# Altium PCB PCBv1.PcbDoc (part 1 of 2) (continued)
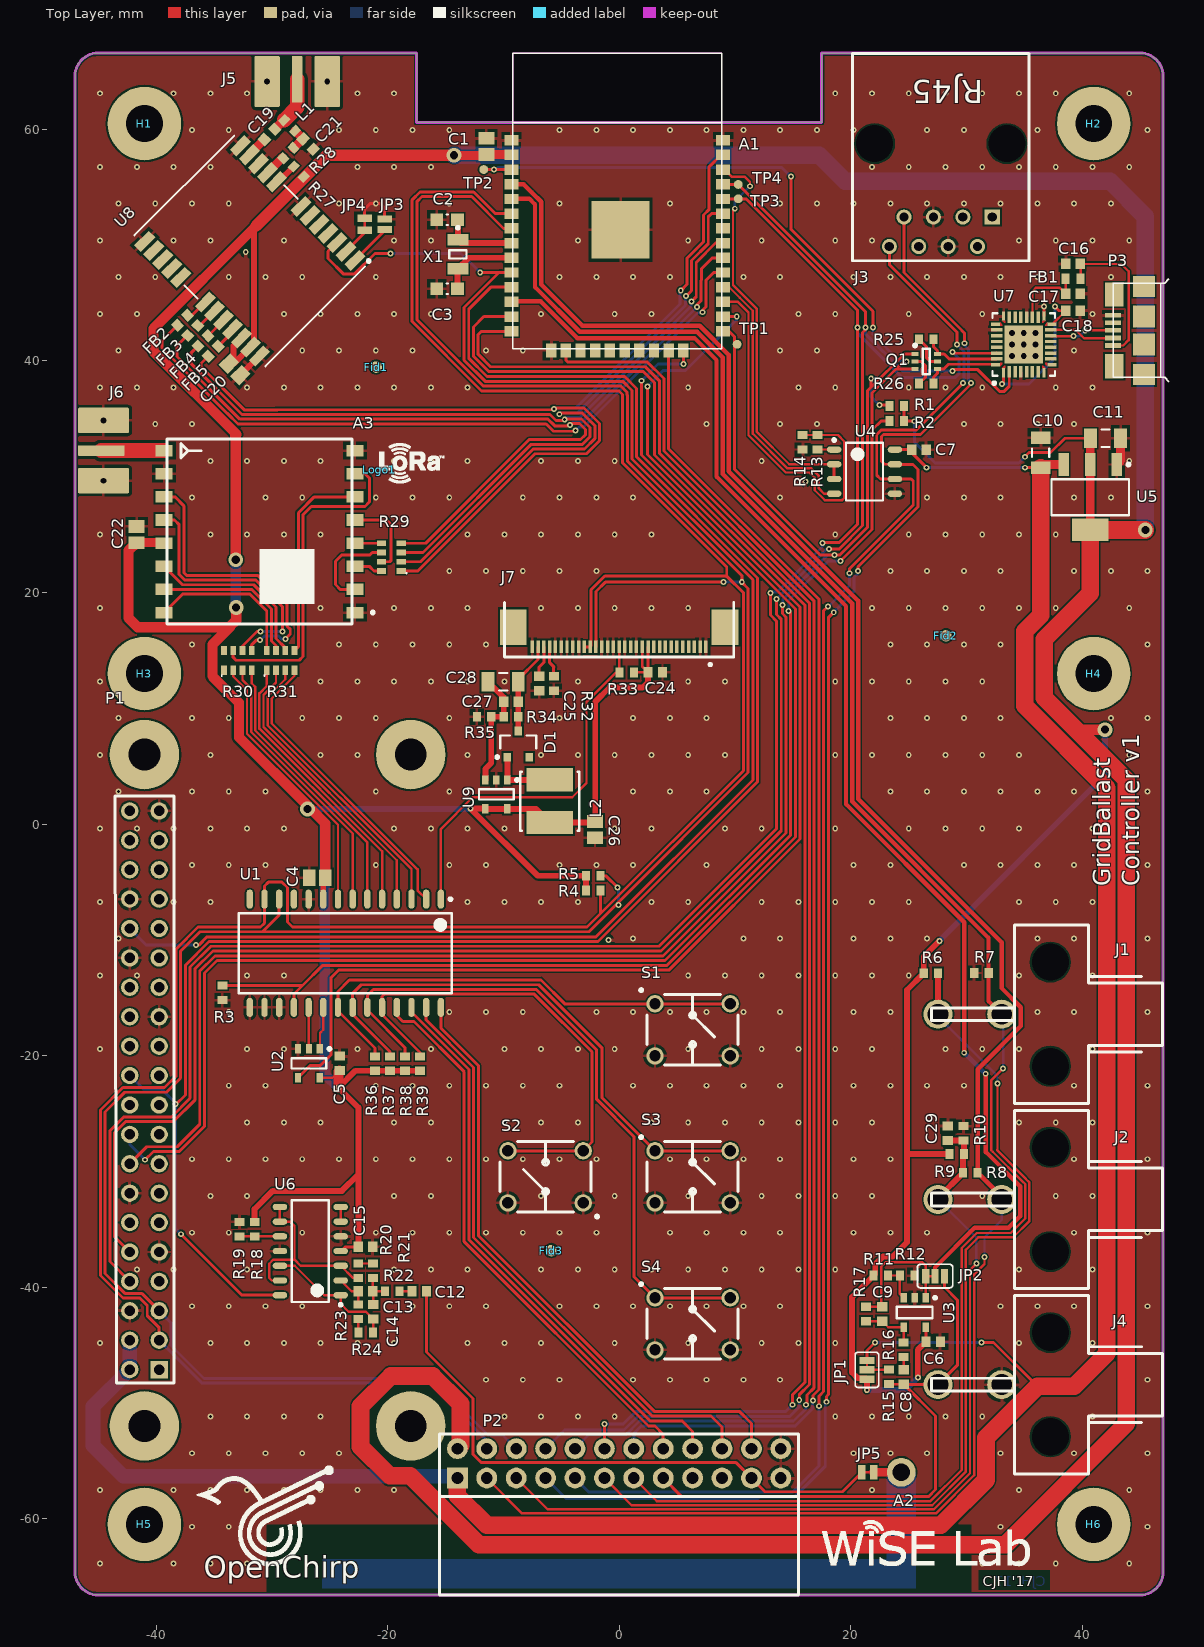
[diagram p0: Top Layer view]
## Footprints (in the part's own frame and the unit in brackets; to place one, negate y for a bottom-side part, rotate by r counter-clockwise, add the part's x,y. Pads: shape width x height; smd on the part's side, far side on the other; paste and mask are expansions set on the pad)
"0.1 INCH 2 ROW 24 POS FEMALE RIGHT-ANGLE HEADER SULLINS" [mm] "Sullins 0.1\" Dual row 24 position female right-angle header"
  rect 1.8x1.8 hole 1.02: 1(-13.97,-1.27)
  round 1.8 hole 1.02: 2(-13.97,1.27) 3(-11.43,-1.27) 4(-11.43,1.27) 5(-8.89,-1.27) 6(-8.89,1.27) 7(-6.35,-1.27) 8(-6.35,1.27) 9(-3.81,-1.27) 10(-3.81,1.27) 11(-1.27,-1.27) 12(-1.27,1.27) 13(1.27,-1.27) 14(1.27,1.27) 15(3.81,-1.27) 16(3.81,1.27) 17(6.35,-1.27) 18(6.35,1.27) 19(8.89,-1.27) 20(8.89,1.27) 21(11.43,-1.27) 22(11.43,1.27) 23(13.97,-1.27) 24(13.97,1.27)
  silkscreen extent -15.5,-11.37 15.5,2.54, body extent -15.49,-11.34 15.49,1.5, height 5.08
"1/8in Fastener Hole" [mm]
  round 6.35 hole 3.175: 1(0,0)
"2POS 4.2MM PITCH RIGHT ANGLE" [mm] "2position 4.2mm picth right angle with screw support (TE 1586043-2)"
  round 0 hole 3.2 unplated: 0(-4.5,-4.2) 0(4.5,-4.2)
  round 2.5 hole 1.8: 1(0,0) 2(0,5.5)
  silkscreen extent -7.7,-13.9 7.7,6.05, body extent -7.7,-13.9 7.7,6.06, height 10.9
"31 POSITION FLAT FLEX ZIF CONNECTOR" [mm] "TE 3-1734839-1 31 Position Flat Flex ZIF Connector"
  rect 2.3x3.1 smd: 0(-9.15,0) 0(9.15,0)
  rect 0.3x1.1 smd mask+0.02: 1(-7.5,1.7) 2(-7,1.7) 3(-6.5,1.7) 4(-6,1.7) 5(-5.5,1.7) 6(-5,1.7) 7(-4.5,1.7) 8(-4,1.7) 9(-3.5,1.7) 10(-3,1.7) 11(-2.5,1.7) 12(-2,1.7) 13(-1.5,1.7) 14(-1,1.7) 15(-0.5,1.7) 16(0,1.7) 17(0.5,1.7) 18(1,1.7) 19(1.5,1.7) 20(2,1.7) 21(2.5,1.7) 22(3,1.7) 23(3.5,1.7) 24(4,1.7) 25(4.5,1.7) 26(5,1.7) 27(5.5,1.7) 28(6,1.7) 29(6.5,1.7) 30(7,1.7) 31(7.5,1.7)
  silkscreen extent -9.91,-2.15 9.91,3.33, body extent -10.47,-3.07 10.46,2.04, height 2
60HzPickup [mm] "This is a small straight trace antenna with an avaliable via for external pickup"
  round 2.5 hole 1.5 paste-10: 1(0,0)
  Top Layer region: 0,1.25 0,-1.25 10,-1.25 10,50 7.5,50 7.5,1.25
CAC-80P319X159-8L [mm] "Chip Array, ConvexE, 8-Leads, Pitch 0.80mm,  Body 3.20x1.60mm,  IPC High Density"
  rect 0.8x0.5 smd: 1(-0.85,1.2) 2(-0.85,0.4) 3(-0.85,-0.4) 4(-0.85,-1.2) 5(0.85,-1.2) 6(0.85,-0.4) 7(0.85,0.4) 8(0.85,1.2)
  silkscreen extent -1.36,1.34 -1.26,1.44, body extent -0.92,-1.68 0.92,1.68, height 0.7
CAPC0603(1608)100_M [mm] "Chip Capacitor, Body 1.6x0.8mm, Height 1.0mm, IPC Low Density"
  rect 1.1x1.1 smd: 1(-0.9,0) 2(0.9,0)
  silkscreen extent -0.05,-0.45 0.05,0.45, body extent -0.87,-0.47 0.88,0.48, height 1
"CAPC1608X09L - CAP0603" [mm] "Chip Capacitor, 2-Leads, Body 1.60x0.80mm, IPC High Density"
  rect 0.8x0.9 smd: 1(-0.625,0) 2(0.625,0)
  body extent -0.87,-0.48 0.87,0.48, height 0.9
"CAPC2013X14L - CAP0805 1.45mm Tall" [mm] "Chip Capacitor, 2-Leads, Body 2.00x1.30mm, IPC High Density"
  rect 1.1x1.4 smd: 1(-0.7,0) 2(0.7,0)
  body extent -1.1,-0.72 1.1,0.73, height 1.45
"CAPC3216X18L - CAP1206 1.8MM TALL" [mm] "Chip Capacitor, 2-Leads, Body 3.20x1.60mm, IPC High Density"
  rect 1.1x1.7 smd: 1(-1.3,0) 2(1.3,0)
  silkscreen extent -0.35,-0.75 0.35,0.75, body extent -1.7,-0.9 1.7,0.9, height 1.8
ESP-WROOM-32 [mm] "ESP WROOM 32 Module"
  rect 5x5 smd: 0(9.3,10.3)
  rect 1.2x0.9 smd: 1(-0.127,18.034) 2(-0.127,16.764) 3(-0.127,15.494) 4(-0.127,14.224) 5(-0.127,12.954) 6(-0.127,11.684) 7(-0.127,10.414) 8(-0.127,9.144) 9(-0.127,7.874) 10(-0.127,6.604) 11(-0.127,5.334) 12(-0.127,4.064) 13(-0.127,2.794) 14(-0.127,1.524) 25(18.161,1.524) 26(18.161,2.794) 27(18.161,4.064) 28(18.161,5.334) 29(18.161,6.604) 30(18.161,7.874) 31(18.161,9.144) 32(18.161,10.414) 33(18.161,11.684) 34(18.161,12.954) 35(18.161,14.224) 36(18.161,15.494) 37(18.161,16.764) 38(18.161,18.034)
  rect 0.9x1.2 smd: 15(3.302,-0.127) 16(4.57,-0.127) 17(5.84,-0.127) 18(7.11,-0.127) 19(8.38,-0.127) 20(9.65,-0.127) 21(10.92,-0.127) 22(12.19,-0.127) 23(13.46,-0.127) 24(14.73,-0.127)
  Keep-Out Layer region: 0,19.558 18.034,19.558 18.034,25.527 0,25.527
  silkscreen extent 0,0 18.03,25.53, body extent 0,0 18.03,25.53, height 2
FB1608X09L [mm] "Chip Ferrite Bead, 2-Leads, Body 1.60x0.80mm, IPC High Density"
  rect 0.77x0.88 smd: 1(-0.615,0) 2(0.615,0)
  body extent -0.88,-0.48 0.88,0.48, height 0.95
"Fiducial 1mm" [mm] "Fiducial 1mm"
  round 1 smd paste-1 mask+0: ""(0,0)
"INDC1608X09L - IND0603 0.95MM TALL" [mm] "Chip Inductor, 2-Leads, Body 1.60x0.80mm, IPC High Density"
  rect 0.67x0.88 smd: 1(-0.665,0) 2(0.665,0)
  body extent -0.87,-0.48 0.87,0.47, height 0.95
"INDC1608X10L - FL0603" [mm] "Chip Inductor, 2-Leads, Body 1.60x0.80mm, IPC High Density"
  rect 0.68x0.92 smd: 1(-0.66,0) 2(0.66,0)
  body extent -0.9,-0.5 0.9,0.5, height 1
INDP4949X20L [mm] "Precision Wire Wound Inductor, 2-Leads, Body 4.90x4.90mm, IPC High Density"
  rect 2x4 smd: 1(-1.85,0) 2(1.85,0)
  silkscreen extent -2.55,-2.55 2.55,2.55, body extent -2.55,-2.45 2.55,2.45, height 2.1
ITTI-14340272-32.768KHz-2_V [mm] "Hand Drawn, 2-Leads, Body 3.2x1.5mm, Pitch 2.5mm"
  rect 1x1.8 smd: 1(-1.25,0) 2(1.25,0)
  silkscreen extent -2.43,-0.75 0.35,0.75, body extent -1.6,-0.75 1.6,0.75, height 0.9
"Logo LoRa Size1" [mm] "Logo LoRa Size1 - Top Overlay"
  silkscreen extent 0,-1.13 5.58,2.3
MicroUSB_TypeB [mm]
  rect 1.8x1.9 smd: 0(0,0) 0(7.6,0)
  rect 2.1x1.6 smd: 0(0.7,2.55) 0(6.9,2.55)
  rect 1.9x1.9 smd: 0(2.6,0) 0(5,0)
  rect 0.4x1.35 smd: 1(2.5,2.675) 2(3.15,2.675) 3(3.8,2.675) 4(4.45,2.675) 5(5.1,2.675)
  silkscreen extent -0.63,-2.16 8.26,2.67, body extent -0.18,-2.4 7.8,3.03, height 2.72
NEO [mm] "u-blox NEO GNSS module"
  rect 1.8x0.8 smd paste-0.1: 1(5.842,-7) 2(5.842,-5.9) 3(5.842,-4.8) 4(5.842,-3.7) 5(5.842,-2.6) 6(5.842,-1.5) 7(5.842,-0.4) 8(5.842,2.6) 9(5.842,3.7) 10(5.842,4.8) 11(5.842,5.9) 12(5.842,7) 13(-5.842,7) 14(-5.842,5.9) 15(-5.842,4.8) 16(-5.842,3.7) 17(-5.842,2.6) 18(-5.842,-0.4) 19(-5.842,-1.5) 20(-5.842,-2.6) 21(-5.842,-3.7) 22(-5.842,-4.8) 23(-5.842,-5.9) 24(-5.842,-7)
  silkscreen extent -6.11,-8 6.69,8, body extent -6.1,-8 6.1,8, height 2.28
PAD-JUMPER-2-NC_BY_TRACE_NO_SILK [mil]
  rect 25x50 smd: 1(-20,0) 2(20,0)
  Top Layer lines w8: 15,0 -15,0
PAD-JUMPER-2-NO_NO_SILK [mm]
  rect 0.635x1.27 smd: 1(-0.45,0) 2(0.45,0)
PAD-JUMPER-3-2OF3_NC_BY_TRACE_YES_SILK_FULL_BOX#1 [mil]
  rect 25x50 smd: 1(-32,0) 2(0,0) 3(32,0)
  Top Layer lines w8: 0,0 25,0
  silkscreen extent -60,-40 60,40
PAD-JUMPER-3-2OF3_NC_BY_TRACE_YES_SILK_FULL_BOX#2 [mil]
  rect 25x50 smd: 1(-32,0) 2(0,0) 3(32,0)
  Top Layer lines w8: 25,0 0.25,0 0,0
  silkscreen extent -60,-40 60,40
PQFN5X5-32_V_FTDI_BIG_VIAS_LEADS [mm] "QFN, 32-Leads, Body 5x5mm, Pitch 0.5mm, Thermal Pad 3.3x3.3mm, FTDI Recommended"
  rect 0.8x0.3 smd paste-0.15 mask-0.15: 1(-2.45,1.75) 8(-2.45,-1.75) 17(2.45,-1.75) 24(2.45,1.75)
  rect 1x0.3 smd mask+0.06: 2(-2.35,1.25) 3(-2.35,0.75) 4(-2.35,0.25) 5(-2.35,-0.25) 6(-2.35,-0.75) 7(-2.35,-1.25) 18(2.35,-1.25) 19(2.35,-0.75) 20(2.35,-0.25) 21(2.35,0.25) 22(2.35,0.75) 23(2.35,1.25)
  rect 0.3x0.8 smd paste-0.15 mask-0.15: 9(-1.75,-2.45) 16(1.75,-2.45) 25(1.75,2.45) 32(-1.75,2.45)
  rect 0.3x1 smd mask+0.06: 10(-1.25,-2.35) 11(-0.75,-2.35) 12(-0.25,-2.35) 13(0.25,-2.35) 14(0.75,-2.35) 15(1.25,-2.35) 26(1.25,2.35) 27(0.75,2.35) 28(0.25,2.35) 29(-0.25,2.35) 30(-0.75,2.35) 31(-1.25,2.35)
  rect 3.3x3.3 smd paste-1.125 mask+0.06: 33(0,0)
  Top Layer region: -2.05,-1.6 -1.85,-1.6 -1.85,-1.7 -2.05,-1.9
  Top Layer region: 2.05,-1.6 1.85,-1.6 1.85,-1.7 2.05,-1.9
  Top Layer region: 2.05,1.6 1.85,1.6 1.85,1.7 2.05,1.9
  Top Layer region: -2.05,1.6 -1.85,1.6 -1.85,1.7 -2.05,1.9
  Top Layer region: -1.6,-2.05 -1.6,-1.85 -1.7,-1.85 -1.9,-2.05
  Top Layer region: 1.6,2.05 1.6,1.85 1.7,1.85 1.9,2.05
  Top Layer region: -1.6,2.05 -1.6,1.85 -1.7,1.85 -1.9,2.05
  Top Layer region: 1.6,-1.85 1.6,-2.05 1.9,-2.05 1.7,-1.85
  silkscreen extent -3.47,-2.7 2.7,2.7, body extent -2.55,-2.55 2.55,2.55, height 1
"RASPBERRY PI ZERO" [mm] "Raspberry Pi Zero Header and Layout"
  round 6 hole 2.75 unplated mask+2: 0(0,-29) 0(0,29) 0(23,-29) 0(23,29)
  rect 1.5x1.5 hole 0.9: 1(1.27,-24.13)
  round 1.5 hole 0.9: 2(-1.27,-24.13) 3(1.27,-21.59) 4(-1.27,-21.59) 5(1.27,-19.05) 6(-1.27,-19.05) 7(1.27,-16.51) 8(-1.27,-16.51) 9(1.27,-13.97) 10(-1.27,-13.97) 11(1.27,-11.43) 12(-1.27,-11.43) 13(1.27,-8.89) 14(-1.27,-8.89) 15(1.27,-6.35) 16(-1.27,-6.35) 17(1.27,-3.81) 18(-1.27,-3.81) 19(1.27,-1.27) 20(-1.27,-1.27) 21(1.27,1.27) 22(-1.27,1.27) 23(1.27,3.81) 24(-1.27,3.81) 25(1.27,6.35) 26(-1.27,6.35) 27(1.27,8.89) 28(-1.27,8.89) 29(1.27,11.43) 30(-1.27,11.43) 31(1.27,13.97) 32(-1.27,13.97) 33(1.27,16.51) 34(-1.27,16.51) 35(1.27,19.05) 36(-1.27,19.05) 37(1.27,21.59) 38(-1.27,21.59) 39(1.27,24.13) 40(-1.27,24.13)
  silkscreen extent -2.54,-25.27 2.54,25.4
"RESC1608X06L - RES0603" [mm] "Chip Resistor, 2-Leads, Body 1.60x0.80mm, IPC High Density"
  rect 0.7x0.85 smd: 1(-0.625,0) 2(0.625,0)
  body extent -0.87,-0.48 0.87,0.48, height 0.55
RFM95/9697/98W [mm] "HopeRF RFM95 RFM96 RFM97 RFM98"
  rect 1.5x1 smd: 1(-8.25,7) 2(-8.25,5) 3(-8.25,3) 4(-8.25,1) 5(-8.25,-1) 6(-8.25,-3) 7(-8.25,-5) 8(-8.25,-7) 9(8.25,-7) 10(8.25,-5) 11(8.25,-3) 12(8.25,-1) 13(8.25,1) 14(8.25,3) 15(8.25,5) 16(8.25,7)
  silkscreen extent -9.9,-8 8,8, body extent -8,-8 8,8, height 1.8
"RJ45 Unshielded PTH Connector" [mm] "Amphenol 54601-908WPLF Unshielded RJ45 PTH Connector"
  round 0 hole 3.2 unplated: 0(-5.716,0) 0(5.716,0)
  rect 1.3x1.3 hole 0.8: 1(-4.444,6.35)
  round 1.3 hole 0.8: 2(-3.174,8.89) 3(-1.904,6.35) 4(-0.634,8.89) 5(0.636,6.35) 6(1.906,8.89) 7(3.176,6.35) 8(4.446,8.89)
  silkscreen extent -7.62,-7.8 7.62,10.12, body extent -7.62,-7.8 7.62,10.2, height 11.5
"SMA Connector - Edge Mount Short" [mm] "Edge Mount SMA Connector - Shorter Footprint"
  rrect10% 0.9x4 smd paste+0 mask+0.05: 1(0,0)
  rrect10% 2.2x4.4 hole 0.5 mask+0.05: 2(-2.6,0.2) 2(2.6,0.2)
  body extent -3.17,-11.63 3.17,1.7, height 3.81
SOIC127P600X175-8L [mm] "SOIC, 8-Leads, Body 4.90x3.90mm, Pitch 1.27mm, IPC High Density"
  oval 1.25x0.55 smd: 1(-2.625,1.905) 2(-2.625,0.635) 3(-2.625,-0.635) 4(-2.625,-1.905) 5(2.625,-1.905) 6(2.625,-0.635) 7(2.625,0.635) 8(2.625,1.905)
  silkscreen extent -2.75,-2.5 1.6,2.85, body extent -3,-2.5 3,2.5, height 1.75
SOIC127P600X175-14L [mm] "SOIC, 14-Leads, Body 8.65x3.90mm, Pitch 1.27mm, IPC High Density"
  oval 1.25x0.55 smd: 1(-2.625,3.81) 2(-2.625,2.54) 3(-2.625,1.27) 4(-2.625,0) 5(-2.625,-1.27) 6(-2.625,-2.54) 7(-2.625,-3.81) 8(2.625,-3.81) 9(2.625,-2.54) 10(2.625,-1.27) 11(2.625,0) 12(2.625,1.27) 13(2.625,2.54) 14(2.625,3.81)
  silkscreen extent -2.75,-4.4 1.6,4.76, body extent -3,-4.4 3,4.4, height 1.75
SOIC127P1030X265-28L [mm] "SOIC, 28-Leads, Body 17.90x7.50mm, Pitch 1.27mm, IPC High Density"
  oval 1.65x0.55 smd: 1(-4.675,8.255) 2(-4.675,6.985) 3(-4.675,5.715) 4(-4.675,4.445) 5(-4.675,3.175) 6(-4.675,1.905) 7(-4.675,0.635) 8(-4.675,-0.635) 9(-4.675,-1.905) 10(-4.675,-3.175) 11(-4.675,-4.445) 12(-4.675,-5.715) 13(-4.675,-6.985) 14(-4.675,-8.255) 15(4.675,-8.255) 16(4.675,-6.985) 17(4.675,-5.715) 18(4.675,-4.445) 19(4.675,-3.175) 20(4.675,-1.905) 21(4.675,-0.635) 22(4.675,0.635) 23(4.675,1.905) 24(4.675,3.175) 25(4.675,4.445) 26(4.675,5.715) 27(4.675,6.985) 28(4.675,8.255)
  silkscreen extent -4.8,-9.2 3.45,9.21, body extent -5.15,-9.2 5.15,9.2, height 2.65
SOT65P210X110-6L [mm] "SOT23, 6-Leads, Body 2.00x2.10mm, Pitch 0.65mm, IPC High Density"
  rect 0.6x0.35 smd: 1(-0.975,0.65) 2(-0.975,0) 3(-0.975,-0.65) 4(0.975,-0.65) 5(0.975,0) 6(0.975,0.65)
  silkscreen extent -1.1,-1.1 0.3,1.5, body extent -0.67,-1.1 0.67,1.1, height 1.1
"SOT95P240X120-3L - ON Semi" [mm] "SOT23, 3-Leads, Body 2.92x2.40mm, Pitch 0.95mm, IPC High Density"
  rect 0.75x0.65 smd: 1(-1.125,0.95) 2(-1.125,-0.95) 3(1.125,0)
  silkscreen extent -1.25,-1.55 0.75,1.95, body extent -1.35,-1.56 1.35,1.56, height 1.2
SOT95P280X140-5L [mm] "SOT23, 5-Leads, Body 2.90x2.80mm, Pitch 0.95mm, IPC High Density"
  rect 0.8x0.55 smd: 1(-1.25,0.95) 2(-1.25,0) 3(-1.25,-0.95) 4(1.25,-0.95) 5(1.25,0.95)
  silkscreen extent -1.37,-1.5 0.45,1.9, body extent -1.5,-1.5 1.5,1.5, height 1.4
SOT95P280X145-5L [mm] "SOT23, 5-Leads, Body 2.90x2.80mm, Pitch 0.95mm, IPC High Density"
  rect 0.8x0.55 smd: 1(-1.275,0.95) 2(-1.275,0) 3(-1.275,-0.95) 4(1.275,-0.95) 5(1.275,0.95)
  silkscreen extent -1.4,-1.55 0.5,1.9, body extent -1.5,-1.53 1.5,1.53, height 1.45
"SOT95P280X145-5L - ON Semi" [mm] "SOT23, 5-Leads, Body 2.90x2.80mm, Pitch 0.95mm, IPC High Density"
  rect 0.8x0.55 smd: 1(-1.25,0.95) 2(-1.25,0) 3(-1.25,-0.95) 4(1.25,-0.95) 5(1.25,0.95)
  silkscreen extent -1.37,-1.5 0.45,1.9, body extent -1.5,-1.5 1.5,1.5, height 1.45
SOT230P700X180-4L [mm] "SOT223, 4-Leads, Body 6.50x7.00mm (avg), Pitch 2.30mm, IPC High Density"
  rect 1.95x0.9 smd: 1(-2.825,2.3) 2(-2.825,0) 3(-2.825,-2.3)
  rect 1.95x3.15 smd: 4(2.825,0)
  silkscreen extent -2.95,-3.35 1.55,3.43, body extent -1.85,-3.35 1.85,3.35, height 1.8
TactileSwitchTE17mm [mm] "TE 3-1825910-1 17mm Tactile Switch"
  round 1.5 hole 0.99: 1(-3.25,2.25) 2(3.25,2.25) 3(-3.25,-2.25) 4(3.25,-2.25)
  silkscreen extent -4.57,-3.05 3.94,3.56, body extent -3.9,-2.99 3.9,3, height 17
TestPoint1 [mil] "Small 0.762mm Round Test Point"
  round 30 smd paste-39.37: 1(0,0)

## Part data
A1: "ESP WROOM 32 Module", Supplier Part Number 1=1528-1801-ND, Supplier 1=Digi-Key
A2: library part "60Hz pickup with via", "5cm 60Hz pickup antenna with via for external wire"
A3: library part RFM95, "HopeRF RFM95 915MHz LoRa Radio", Supplier Part Number 1=1597-1488-ND, Supplier 1=Digi-Key, Supplier 2=Digi-Key, Supplier Part Number 2=RFM95W-915S2-ND
C1: library part "CAP0805 22uF 10% 6.3V X5R", "SMT 0805 Ceramic Capacitor", Supplier Part Number 1=1276-6687-1-ND, TempCoeff=X5R, Tolerance=10%, Voltage=6.3V, Supplier 1=Digi-Key, Supplier 2=Digi-Key, Supplier Part Number 2=311-1860-1-ND
C2 C3: library part CMP-1035-00607-1, "CAP 12pF 16V ±10% 0603 (1608 Metric) Thickness 1mm SMD", Case-EIA=0603, Case-Metric=1608, Rated Voltage="16 V", Tolerance=±10%, Max Thickness="1 mm", Technology=SMT
C4 C20 C22 C26: library part "CAP0805 10uF 10% 6.3V X5R", "SMT 0805 Ceramic Capacitor", Supplier Part Number 1=1276-6457-1-ND, TempCoeff=X5R, Tolerance=10%, Voltage=6.3V, Supplier 1=Digi-Key
C5 C6 C15 C21: library part "CAP0603 10000pF 10% 50V X7R", "SMT 0603 Ceramic Capacitor", Supplier Part Number 1=478-1215-1-ND, TempCoeff=X7R, Tolerance=10%, Voltage=50V, Supplier 1=Digi-Key, Supplier 2=Digi-Key, Supplier 3=Digi-Key, Supplier Part Number 2=311-1080-1-ND, Supplier Part Number 3=490-1494-1-ND
C7 C8: library part "CAP0603 4.7uF 10% 6.3V X7R", "SMT 0603 Ceramic Capacitor", Supplier Part Number 1=1276-2087-1-ND, TempCoeff=X7R, Tolerance=10%, Voltage=6.3V, Supplier 1=Digi-Key
C9 C16 C17 C18: library part "CAP0603 100pF 5% 50V NP0", "SMT 0603 Ceramic Capacitor", Supplier Part Number 1=399-1061-1-ND, TempCoeff=NP0, Tolerance=5%, Voltage=50V, Supplier 1=Digi-Key, Supplier 2=Digi-Key, Supplier Part Number 2=490-1427-1-ND
C10 C11: library part "CAP1206 4.7uF 10% 25V X5R", "SMT 1206 Ceramic Capacitor", Supplier Part Number 1=587-1336-1-ND, TempCoeff=X5R, Tolerance=10%, Voltage=25V, Supplier 1=Digi-Key
C12 C29: library part "CAP0603 10uF 20% 6.3V X5R", "SMT 0603 Ceramic Capacitor", Supplier Part Number 1=587-1256-1-ND, TempCoeff=X5R, Tolerance=20%, Voltage=6.3V, Supplier 1=Digi-Key, Supplier 2=Digi-Key, Supplier Part Number 2=490-3896-1-ND
C13 C14: library part "CAP0603 1uF 10% 10V X7R", "SMT 0603 Ceramic Capacitor", Supplier Part Number 1=1276-1946-1-ND, TempCoeff=X7R, Tolerance=10%, Voltage=10V, Supplier 1=Digi-Key, Supplier 2=Digi-Key, Supplier Part Number 2=399-3118-1-ND
C19: library part "CAP0603 47pF 5% 50V NP0", "SMT 0603 Ceramic Capacitor", Supplier Part Number 1=1276-1037-1-ND, TempCoeff=NP0, Tolerance=5%, Voltage=50V, Supplier 1=Digi-Key, Supplier 2=Digi-Key, Supplier 3=Arrow, Supplier 4=Digi-Key, Supplier Part Number 2=1276-2296-1-ND, Supplier Part Number 3=CFabNzdY6X6BB7Ej2OVMNUmEE8oTDHVGVspzp79aHa0, Supplier Part Number 4=399-1056-1-ND
C24: library part "CAP0603 1uF 5% 10V X7R", "SMT 0603 Ceramic Capacitor", Supplier Part Number 1=478-10074-1-ND, TempCoeff=X7R, Tolerance=5%, Voltage=10V, Supplier 1=Digi-Key, Supplier 2=Mouser, Supplier 3=Digi-Key, Supplier Part Number 2=581-0603ZC105JAT2A, Supplier Part Number 3=311-3484-1-ND
C25: library part "CAP0603 2.2uF 10% 6.3V X7R", "SMT 0603 Ceramic Capacitor", Supplier Part Number 1=1276-2017-1-ND, TempCoeff=X7R, Tolerance=10%, Voltage=6.3V, Supplier 1=Digi-Key, Supplier 2=Digi-Key, Supplier Part Number 2=311-1795-1-ND
C27: library part "CAP0603 0.1uF 10% 25V X7R", "SMT 0603 Ceramic Capacitor", Supplier Part Number 1=311-1341-1-ND, TempCoeff=X7R, Tolerance=10%, Voltage=25V, Supplier 1=Digi-Key, Supplier 2=Digi-Key, Supplier Part Number 2=490-1524-1-ND
C28: library part "CAP1206 10uF 10% 16V X5R", "SMT 1206 Ceramic Capacitor", Supplier Part Number 1=1276-1137-1-ND, TempCoeff=X5R, Tolerance=10%, Voltage=16V, Supplier 1=Digi-Key, Supplier 2=Digi-Key, Supplier Part Number 2=490-10526-1-ND
D1: library part BAT54, "ON Semi BAT54 800mV Schottky Diode", Supplier Part Number 1=BAT54SLT1GOSCT-ND, Supplier 1=Digi-Key, Supplier 2=Mouser, Supplier Part Number 2=512-BAT54, Vf=800mV, Vr=30V
FB1: library part "FB0603 62Ohm", Supplier Part Number 1=732-6702-1-ND, Impedance at 100MHz=62Ohms, Supplier 1=Digi-Key
FB2 FB3 FB4 FB5: library part "FB0603 1kOhm", Supplier Part Number 1=490-1015-1-ND, Impedance at 100MHz=1kOhms, Supplier 1=Digi-Key
Fid1 Fid2 Fid3: library part "Fiducial 1mm", "1mm Fiducial Mark"
H1 H2 H3 H4 H5 H6: library part "1/8in by 1/4in Fastner Hole"
J1 J2 J4: library part "2POS 4.2mm Pitch Right Angle", "TE 1586043-2 - 2position 4.2mm pitch right angle with screw support", Supplier Part Number 1=A30626-ND, Positions=2, Supplier 1=Digi-Key
J3: library part "RJ45 Unshielded PTH Connector", "Amphenol RJ45 Unshielded Through-Hole Connector", Colour=Black, Contact Resistance=30mR, Current Rating=1A, Flammability Rating="UL94 V-0", Insulation Resistance=500MR, Manufacturer="Amphenol FCI", Manufacturer Part Number=54601-908WPLF, Max Operating Temperature=125°C, Min Operating Temperature=-65°C, Package Quantity=200, Supplier Part Number 1=609-5081-ND, Voltage Rating=1kV, ComponentLink1Description=https://datasheet.ciiva.com/9396/c-bmj-0051-9396388.pdf, ComponentLink1URL=https://datasheet.ciiva.com/9396/c-bmj-0051-9396388.pdf, ComponentLink2Description=https://datasheet.ciiva.com/26824/getdatasheetpartid-465238-26824373.pdf, ComponentLink2URL=https://datasheet.ciiva.com/26824/getdatasheetpartid-465238-26824373.pdf, ComponentLink3Description=https://datasheet.ciiva.com/1108/c-bmj-0051-1108424.pdf, ComponentLink3URL=https://datasheet.ciiva.com/1108/c-bmj-0051-1108424.pdf, ComponentLink4Description=https://datasheet.ciiva.com/15058/c-bmj-0051-15058750.pdf, ComponentLink4URL=https://datasheet.ciiva.com/15058/c-bmj-0051-15058750.pdf, ComponentLink5Description=https://datasheet.ciiva.com/16650/c-bmj-0051-16650286.pdf, ComponentLink5URL=https://datasheet.ciiva.com/16650/c-bmj-0051-16650286.pdf, ComponentLink6Description=https://datasheet.ciiva.com/7629/c-bmj-0051-7629183.pdf, ComponentLink6URL=https://datasheet.ciiva.com/7629/c-bmj-0051-7629183.pdf, Connector Type=RJ45, Contact Material=Bronze,Copper, Contact Plating=Nickel,Gold, Depth=18mm, Direction=Down, Gender=Male, Housing Colour=Black, Housing Material=Polyamide, Lead Free="Lead Free", Length=15.24mm, Mount="Through Hole", Number of Contacts=8, Number of Ports=1, Number of Positions=8, Number of Positions Loaded=8, Number of Rows=1, Orientation="Right Angle", Packaging=Rail/Tube, Pitch=2.54mm, Pricing 2="1=0.51, 10=0.377, 50=0.377, 100=0.362, 1000=0.26, 10000=0.212 (USD)", Radiation Hardening=No, REACH SVHC="No SVHC", Shielding=Unshielded, Stock 2=0, Supplier 1=Digi-Key, Supplier 2=Mouser, Supplier Part Number 2=649-54601-908WPLF, Termination="Through Hole"
J5 J6: Supplier Part Number 1=CON-SMA-EDGE-S-ND, Supplier 1=Digi-Key, Supplier 2=Digi-Key, Supplier 3=Digi-Key, Supplier Part Number 2=931-1174-ND, Supplier Part Number 3=931-1175-ND
J7: library part "31 Position Flat Flex ZIF Connector", "TE 3-1734839-1 31 Position Flat Flex ZIF Connector", Supplier Part Number 1=A101346CT-ND, Positions=31, Supplier 1=Digi-Key
L1: library part "IND0603 27nH 400mA 5% 650mOhm 1.7GHz", "SMT 0603 Ceramic Inductor", Current Rating=300mA, DC Resistance=450mOhm, Supplier Part Number 1=732-6268-1-ND, Tolerance=5%, Self Resonant=1.7GHz, Supplier 1=Digi-Key
L2: library part "INDWW 10uH 1.45A 20% 144mOhm 24MHz", "SMT Wire Wound Inductor", Current Rating=1.45A, DC Resistance=144mOhm, Supplier Part Number 1=587-2409-1-ND, Tolerance=20%, Self Resonant=24MHz, Supplier 1=Digi-Key, Supplier 2=Mouser, Supplier Part Number 2=963-NRS5020T100MMGJ
Logo1: library part Logo, "Schematic symbol for Logo"
P1: library part "Raspberry Pi Zero Mate", "The header and mechanical drawings for connnecting a Raspbery Pi Zero"
P2: library part "0.1\" 2 row 24 position female right-angle header sullins", "Sullins 0.1\" 2 row 24 position female right-angle header", Supplier Part Number 1=S5526-ND, Pitch=2.54mm, Positions=24, Rows=2, Supplier 1=Digi-Key, Supplier 2=Digi-Key, Supplier Part Number 2=S5565-ND
P3: library part "MicroUSB TypeB", "Micro USB Type B Port", Supplier Part Number 1=609-4613-1-ND, Datasheet=http://portal.fciconnect.com/Comergent//fci/drawing/10118192.pdf, Supplier=http://www.digikey.com/product-detail/en/amphenol-fci/10118192-0001LF/609-4613-2-ND/2785387, Supplier 1=Digi-Key
Q1: library part MBT3904DW1T1G, "3904 Dual NPN Transistor", Supplier Part Number 1=MBT3904DW1T1GOSCT-ND, Supplier 1=Digi-Key, Supplier 2=Mouser, Supplier Part Number 2=863-SMBT3904DW1T1G
R1 R2 R3 R11 R12 R36 R37 R38 R39: library part "RES0603 10K 1% 1/10W", "SMT 0603 Ceramic Resistor", Power=1/10W, Supplier Part Number 1=311-10.0KHRCT-ND, Tolerance=1%, Supplier 1=Digi-Key, Supplier 2=Digi-Key, Supplier 3=Digi-Key, Supplier Part Number 2=RMCF0603FT10K0CT-ND, Supplier Part Number 3=P10.0KHCT-ND
R4 R5 R33: library part "RES0603 4.7K 1% 1/10W", "SMT 0603 Ceramic Resistor", Power=1/10W, Supplier Part Number 1=311-4.70KHRCT-ND, Tolerance=1%, Supplier 1=Digi-Key, Supplier 2=Digi-Key, Supplier 3=Digi-Key, Supplier Part Number 2=P4.70KHCT-ND, Supplier Part Number 3=RMCF0603FT4K70CT-ND
R6 R28: library part "RES0603 10 1% 1/10W", "SMT 0603 Ceramic Resistor", Power=1/10W, Supplier Part Number 1=311-10.0HRCT-ND, Tolerance=1%, Supplier 1=Digi-Key, Supplier 2=Digi-Key, Supplier 3=Digi-Key, Supplier Part Number 2=RMCF0603FT10R0CT-ND, Supplier Part Number 3=CR0603-FX-10R0ELFCT-ND
R7: library part "RES0603 3M 1% 1/10W", "SMT 0603 Ceramic Resistor", Power=1/10W, Supplier Part Number 1=541-3.00MHCT-ND, Tolerance=1%, Supplier 1=Digi-Key, Supplier 2=Digi-Key, Supplier 3=Digi-Key, Supplier Part Number 2=RMCF0603FT3M00CT-ND, Supplier Part Number 3=1276-4958-1-ND
R8: library part "RES0603 33 1% 1/10W", "SMT 0603 Ceramic Resistor", Power=1/10W, Supplier Part Number 1=311-33.0HRCT-ND, Tolerance=1%, Supplier 1=Digi-Key, Supplier 2=Digi-Key, Supplier 3=Digi-Key, Supplier Part Number 2=RMCF0603FT33R0CT-ND, Supplier Part Number 3=P33.0HCT-ND
R9 R10 R27: library part "RES0603 1K 1% 1/10W", "SMT 0603 Ceramic Resistor", Power=1/10W, Supplier Part Number 1=311-1.00KHRCT-ND, Tolerance=1%, Supplier 1=Digi-Key, Supplier 2=Digi-Key, Supplier 3=Digi-Key, Supplier Part Number 2=P1.00KHCT-ND, Supplier Part Number 3=RMCF0603FG1K00CT-ND
R13: library part "RES0603 2.43K 1% 1/10W", "SMT 0603 Ceramic Resistor", Power=1/10W, Supplier Part Number 1=311-2.43KHRDKR-ND, Tolerance=1%, Supplier 1=Digi-Key, Supplier 2=Mouser, Supplier Part Number 2=603-RC0603FR-072K43L
R14: library part "RES0603 4.32K 1% 1/10W", "SMT 0603 Ceramic Resistor", Power=1/10W, Supplier Part Number 1=311-4.32KHRTR-ND, Tolerance=1%, Supplier 1=Digi-Key, Supplier 2=Digi-Key, Supplier 3=Digi-Key, Supplier Part Number 2=P4.32KHCT-ND, Supplier Part Number 3=CRCW06034K32FKEB-ND
R15: library part "RES0603 2.2K 1% 1/10W", "SMT 0603 Ceramic Resistor", Power=1/10W, Supplier Part Number 1=311-2.20KHRCT-ND, Tolerance=1%, Supplier 1=Digi-Key
R16: library part "RES0603 1.5K 1% 1/10W", "SMT 0603 Ceramic Resistor", Power=1/10W, Supplier Part Number 1=311-1.50KHRCT-ND, Tolerance=1%, Supplier 1=Digi-Key, Supplier 2=Digi-Key, Supplier Part Number 2=RMCF0603FT1K50CT-ND
R17 R18 R19: library part "RES0603 100K 1% 1/10W", "SMT 0603 Ceramic Resistor", Power=1/10W, Supplier Part Number 1=311-100KHRCT-ND, Tolerance=1%, Supplier 1=Digi-Key
R20: library part "RES0603 43 1% 1/10W", "SMT 0603 Ceramic Resistor", Power=1/10W, Supplier Part Number 1=311-43.0HRCT-ND, Tolerance=1%, Supplier 1=Digi-Key, Supplier 2=Digi-Key, Supplier Part Number 2=P43.0HCT-ND
R21: library part "RES0603 91 1% 1/10W", "SMT 0603 Ceramic Resistor", Power=1/10W, Supplier Part Number 1=311-91.0HRCT-ND, Tolerance=1%, Supplier 1=Digi-Key, Supplier 2=Digi-Key, Supplier 3=Digi-Key, Supplier Part Number 2=541-91.0HCT-ND, Supplier Part Number 3=RHM91CFCT-ND
R22: library part "RES0603 13.3K 1% 1/10W", "SMT 0603 Ceramic Resistor", Power=1/10W, Supplier Part Number 1=311-13.3KHRCT-ND, Tolerance=1%, Supplier 1=Digi-Key, Supplier 2=Digi-Key, Supplier Part Number 2=P13.3KHCT-ND
R23 R24: library part "RES0603 28K 0.1% 1/10W", "SMT 0603 Ceramic Resistor", Power=1/10W, Supplier Part Number 1=YAG4680CT-ND, Tolerance=0.1%, Supplier 1=Digi-Key, Supplier 2=Digi-Key, Supplier Part Number 2=P28KDBCT-ND
R25 R26: library part "RES0603 12K 1% 1/10W", "SMT 0603 Ceramic Resistor", Power=1/10W, Supplier Part Number 1=311-12.0KHRCT-ND, Tolerance=1%, Supplier 1=Digi-Key, Supplier 2=Digi-Key, Supplier Part Number 2=RMCF0603FT12K0CT-ND
R29 R30 R31: library part "RESARR1206 100 5% 1/16W", Power=1/16W, Supplier Part Number 1=YC164J-100CT-ND, Tolerance=5%, Supplier 1=Digi-Key
R32: library part "RES0603 910K 1% 1/10W", "SMT 0603 Ceramic Resistor", Power=1/10W, Supplier Part Number 1=311-910KHRCT-ND, Tolerance=1%, Supplier 1=Digi-Key, Supplier 2=Digi-Key, Supplier 3=Digi-Key, Supplier Part Number 2=P910KHCT-ND, Supplier Part Number 3=RMCF0603FT910KCT-ND
R34: library part "RES0603 205K 1% 1/10W", "SMT 0603 Ceramic Resistor", Power=1/10W, Supplier Part Number 1=311-205KHRCT-ND, Tolerance=1%, Supplier 1=Digi-Key, Supplier 2=Digi-Key, Supplier 3=Digi-Key, Supplier Part Number 2=P205KHCT-ND, Supplier Part Number 3=541-205KHCT-ND
R35: library part "RES0603 23.2K 1% 1/10W", "SMT 0603 Ceramic Resistor", Power=1/10W, Supplier Part Number 1=311-23.2KHRCT-ND, Tolerance=1%, Supplier 1=Digi-Key, Supplier 2=Digi-Key, Supplier 3=Digi-Key, Supplier Part Number 2=541-23.2KHCT-ND, Supplier Part Number 3=RMCF0603FG23K2CT-ND
S1 S2 S3 S4: library part "TE 3-1825910-1 17mm Tactile Switch", "TE 3-1825910-1 17mm Tactile Switch", Supplier Part Number 1=450-1643-ND, Supplier 1=Digi-Key
TP1 TP2 TP3 TP4: library part TestPoint1, "Small 0.762mm Round Test Point"
U1: library part MCP23017T-E/SO, "Microchip MCP23017 I2C 16CH IO Expander", Supplier Part Number 1=MCP23017T-E/SOCT-ND, Supplier 1=Digi-Key
U2: library part NC7S32M5X, "Fairchild/ON Semi NC7S32M5X Single OR Gate", Supplier Part Number 1=NC7S32M5XCT-ND, Supplier 1=Digi-Key
U3: library part LMV793MF/NOPB, "TI LMV793MF/NOPB 88MHz Single OP-Amp", Supplier Part Number 1=LMV793MF/NOPBCT-ND, Bandwidth=88MHz, Slew Rate="35 V/us", Supplier 1=Digi-Key
U4: library part SN65176B, "Half Duplex RS485 Tranceiver", Supplier Part Number 1=296-14636-1-ND, Supplier 1=Digi-Key, Supplier 2=Mouser, Supplier Part Number 2=595-SN65176BDR
U5: "AP2114 3.3V Fixed LDO Regulator", Supplier Part Number 1=AP2114H-3.3TRG1DICT-ND, Supplier 1=Digi-Key
U6: library part LM324DR2G, "ON Semi LM324DR2G 1MHz Quad OP-Amp", Supplier Part Number 1=LM324DR2GOSCT-ND, Supplier 1=Digi-Key
U7: "USB UART Asynchronous Serial Data Transfer Chip, 32-pin QFN, Tape and Reel", Manufacturer=FTDI, ComponentLink1Description="Manufacturer URL", ComponentLink1URL=http://www.ftdichip.com/, ComponentLink2Description=Datasheet, ComponentLink2URL=http://www.ftdichip.com/Support/Documents/DataSheets/ICs/DS_FT232R.pdf, DatasheetVersion="ver 2.10, Mar-2012", PackageDescription="32-Pin Quad Flat No-Lead 0.5 mm Pitch, Pullback, 3.2 x 3.2 mm Exposed Pad", PackageReference=PQFN5X5-32, PackageVersion=Mar-12, PartNumber=FT232RQ-Reel
U8: library part NEO, "u-blox NEO GNSS module", Manufacturer=u-blox, Part Description="u-blox GNSS module"
U9: library part FAN5331, "ON Semi FAN5531 Boost Converter", Supplier Part Number 1=FAN5331SXCT-ND, Supplier 1=Digi-Key, Supplier 2=Mouser, Supplier Part Number 2=512-FAN5331SX
X1: library part CMP-0463-00001-2, "Crystal, 32.768 KHz, -40 to 85 degC, 3.2 x 1.5 x 0.9 mm SMD", Frequency Tolerance="+/-20 ppm", Load Capacitance="12.5 pF", Manufacturer=ITTI, Nominal Frequency=32.768KHz, Operating Temperature="-40 to 85 degC", ComponentLink1Description="Manufacturer URL", ComponentLink1URL=http://www.itti-co.com, Drive Level="1 max. uw", Mounting Technology="Surface Mount", PackageDescription="2-Pin Hand Drawn, Body 3.2 x 1.5mm, Pitch 2.5 mm", PackageReference=14340272-32.768KHz-2, PartNumber=14340272-32.768KHz

## Via types
v1: diameter 0.508, hole 0.254, Top Layer to Bottom Layer, tented both sides, 702 vias
v2: diameter 0.889, hole 0.508, Top Layer to Bottom Layer, tented top, 9 vias
v3: diameter 1.27, hole 0.711, Top Layer to Bottom Layer, tented both sides, 6 vias

## Nets (pads, with @x,y where several pads share a name; then routed paths per layer and width w, separated by ;. In a path a pad name is that pad's centre, name@x,y a point inside that pad or via, vN(x,y) a via of type N, cw(c..) or ccw(c..) an arc to the next point about the centre after c; other vN are vias at no path point)
3.3V: A1.2 A3.13 C1.2 C4.2 C5.2 C6.2 C11.2 C15.2 C20.2 C22.2 C24.2 C26.2 J7.11 J7.12 JP1.1 L2.1 P2.2 R1.2 R2.2 R4.2 R5.2 R6.2 R9.2 R11.2 R18.2 R27.2 R33.2 R36.2 R37.2 R38.2 R39.2 U1.9 U2.5 U3.5 U5.2 U5.4 U6.4 U8.22 U8.23 U9.4 U9.5 | length 633
  Top Layer w0.203: U2.5@-25.843,-21.925 -24.772,-21.925 C5.2@-24.24,-21.393 ; R33.2@1.271,13.101 C24.2@2.497,13.101 C24.2@2.5,13.098
  Top Layer w0.254: U6.4@-24.049,-36.891 -23.689,-36.53 C15.2@-22.526,-36.53 ; J7.12@2,15.3 2,13.598 C24.2@2.497,13.101 ; C24.2@2.5,13.098 J7.11@2.5,15.3 ; R1.2@24.623,36.107 R2.2@24.623,34.814 25.496,34.814 v1(25.518,34.793) ; U3.5@26.475,-43.478 26.509,-43.512 C6.2@26.509,-44.712 ; v1(35.052,31.719) 35.413,32.08 37.264,32.08 38.507,33.323 C11.2@40.718,33.323
  Top Layer w0.508: U8.22@-32.632,41.985 -33.303,41.314 -33.303,40.173 C20.2@-33.712,39.764 -33.297,39.764 U8.23@-31.855,41.207 -31.538,41.523 -31.538,51.482 ; R18.2@-31.48,-34.367 -31.48,-33.264 -29.91,-31.694 -23.948,-31.694 -22.526,-30.272 ; U1.9@-25.554,-6.491 -25.554,-4.815 C4.2@-25.373,-4.634 ; C15.2@-22.526,-36.53 -22.526,-30.272 ; R39.2@-17.194,-21.317 R37.2@-19.793,-21.317 R36.2@-21.092,-21.317 -22.779,-21.317 v1(-24.24,-22.778) -22.526,-24.491 -22.526,-30.272 ; R4.2@-2.852,-5.756 R5.2@-2.852,-4.469 -7.037,-4.469 v1(-12.851,1.345) -11.583,1.345 U9.4@-11.547,1.309 U9.5@-9.647,1.309 -7.187,1.309 L2.1@-5.994,0.117 -2.183,0.117 C26.2@-2.082,0.218 ; C26.2@-2.065,0.218 -2.065,10.559 -0.824,11.799 2.033,11.799 2.497,12.264 C24.2@2.497,13.101 ; v1(21.397,-48.898) 21.408,-48.886 JP1.1@21.408,-47.966 21.319,-47.877 20.605,-47.877 20.113,-47.385 20.113,-40.874 R11.2@21.988,-38.998 22.126,-38.86 22.126,-38.039 22.807,-37.359 23.628,-37.359 24.861,-36.126 24.861,-28.511 ; v1(25.808,-47.809) 25.794,-47.795 25.794,-45.427 C6.2@26.509,-44.712 ; v1(27.687,-10.122) 27.629,-10.122 26.312,-11.439 R6.2@26.312,-12.888 24.861,-14.34 24.861,-28.511 ; R9.2@28.532,-28.511 24.861,-28.511
  Top Layer w0.762: C22.2@-41.683,24.304 -39.358,24.304 A3.13@-39.314,24.26 ; v3(-14.254,57.76) C1.2@-11.535,57.76 ; C1.2@-11.466,57.828 -9.331,57.828 A1.2@-9.303,57.8 ; U5.4@40.696,25.402 U5.2@40.696,31.052 40.696,33.302 C11.2@40.718,33.323
  Top Layer w0.889: C22.2@-41.683,24.304 -42.387,23.601 -42.387,17.819 -41.572,17.004 -33.61,17.004 ; v3(-33.122,22.817) -33.122,33.513 -33.15,33.541 -33.047,33.645 -40.211,40.809 -40.211,42.809 -31.538,51.482 -31.34,51.68 ; v3(-33.082,18.697) -33.082,17.603 -33.61,17.075 -33.61,17.004 ; C4.2@-25.373,-4.634 -25.373,0.042 -26.635,1.304 v3(-26.912,1.304) -26.912,1.581 -32.836,7.506 -32.836,10.488 -35.128,12.779 -35.128,15.487 -33.61,17.004 ; v1(-24.24,-22.778) -24.24,-21.393 C5.2@-24.147,-21.3 ; 39.703,7.92 39.936,8.153 v3(41.98,8.153)
  Top Layer w1.016: -31.34,51.68 -25.26,57.76 v3(-14.254,57.76) ; C1.2@-11.535,57.76 C1.2@-11.466,57.828
  Top Layer w1.524: P2.2@-13.97,-53.96 -13.7,-53.69 -13.7,-50.077 -16.088,-47.689 -19.729,-47.689 -22.336,-50.296 -22.336,-53.798 -19.823,-56.311 -18.046,-56.311 -12.101,-62.255 33.376,-62.255 43.812,-51.819 43.812,3.812 39.703,7.92 36.719,10.905 36.719,15.957 40.696,19.935 U5.4@40.696,25.402 v3(45.461,25.402)
  Bottom Layer w0.254: v1(25.518,34.793) 25.518,32.97 27.305,31.183 34.516,31.183 v1(35.052,31.719)
  Bottom Layer w0.508: v3(-26.912,1.304) -26.635,1.304 -12.892,1.304 v1(-12.851,1.345) ; v1(21.397,-48.898) 24.719,-48.898 v1(25.808,-47.809) ; v1(27.687,-10.122) 27.687,-10.064 41.98,4.229 v3(41.98,8.153)
  Bottom Layer w0.889: v3(-33.122,22.817) -33.122,18.835 -33.15,18.806 -33.062,18.718 v3(-33.082,18.697) ; v3@-26.635,1.304 -25.418,0.088 -25.418,-21.599 v1(-24.24,-22.778)
  Bottom Layer w1.524: v3(-14.254,57.76) 17.297,57.76 19.535,55.522 42.414,55.522 45.461,52.475 v3(45.461,25.402)
5V: C7.2 C10.2 JP1.3 P1.2 P1.4 P2.1 U4.8 U5.3 | length 223
  Top Layer w0.254: JP1.3@21.408,-46.34 21.408,-45.483 v1(22.104,-44.787) ; U4.8@23.825,32.344 24.172,32.344 24.19,32.362 25.274,32.362 C7.2@25.274,32.344 25.274,32.07 v1(26.567,30.777) ; v1(31.304,-44.787) 32.35,-44.787 36.141,-48.578 ; v1(35.049,30.777) C10.2@36.419,30.777
  Top Layer w0.762: C10.2@36.419,30.777 36.695,31.052 U5.3@38.396,31.052
  Top Layer w1.27: P2.1@-14.131,-56.339 P2.1@-13.97,-56.5
  Top Layer w1.524: P2.1@-13.97,-56.5 -13.97,-58.016 -11.407,-60.579 27.781,-60.579 31.697,-56.663 31.697,-53.022 36.141,-48.578 39.304,-48.578 42.13,-45.752 42.13,3.115 35.042,10.202 35.042,16.652 36.419,18.029 C10.2@36.419,30.777
  Bottom Layer w0.254: v1(22.104,-44.787) v1(31.304,-44.787) ; v1(26.567,30.777) v1(35.049,30.777)
  Bottom Layer w1.27: P1.4@-42.27,-44.59 P1.2@-42.27,-47.13 -45.447,-50.307 -45.447,-53.718 -42.827,-56.339 P2.1@-14.131,-56.339